# Altium PCB ecoVENTV_v1.1.PcbDoc (part 1 of 3) (continued)
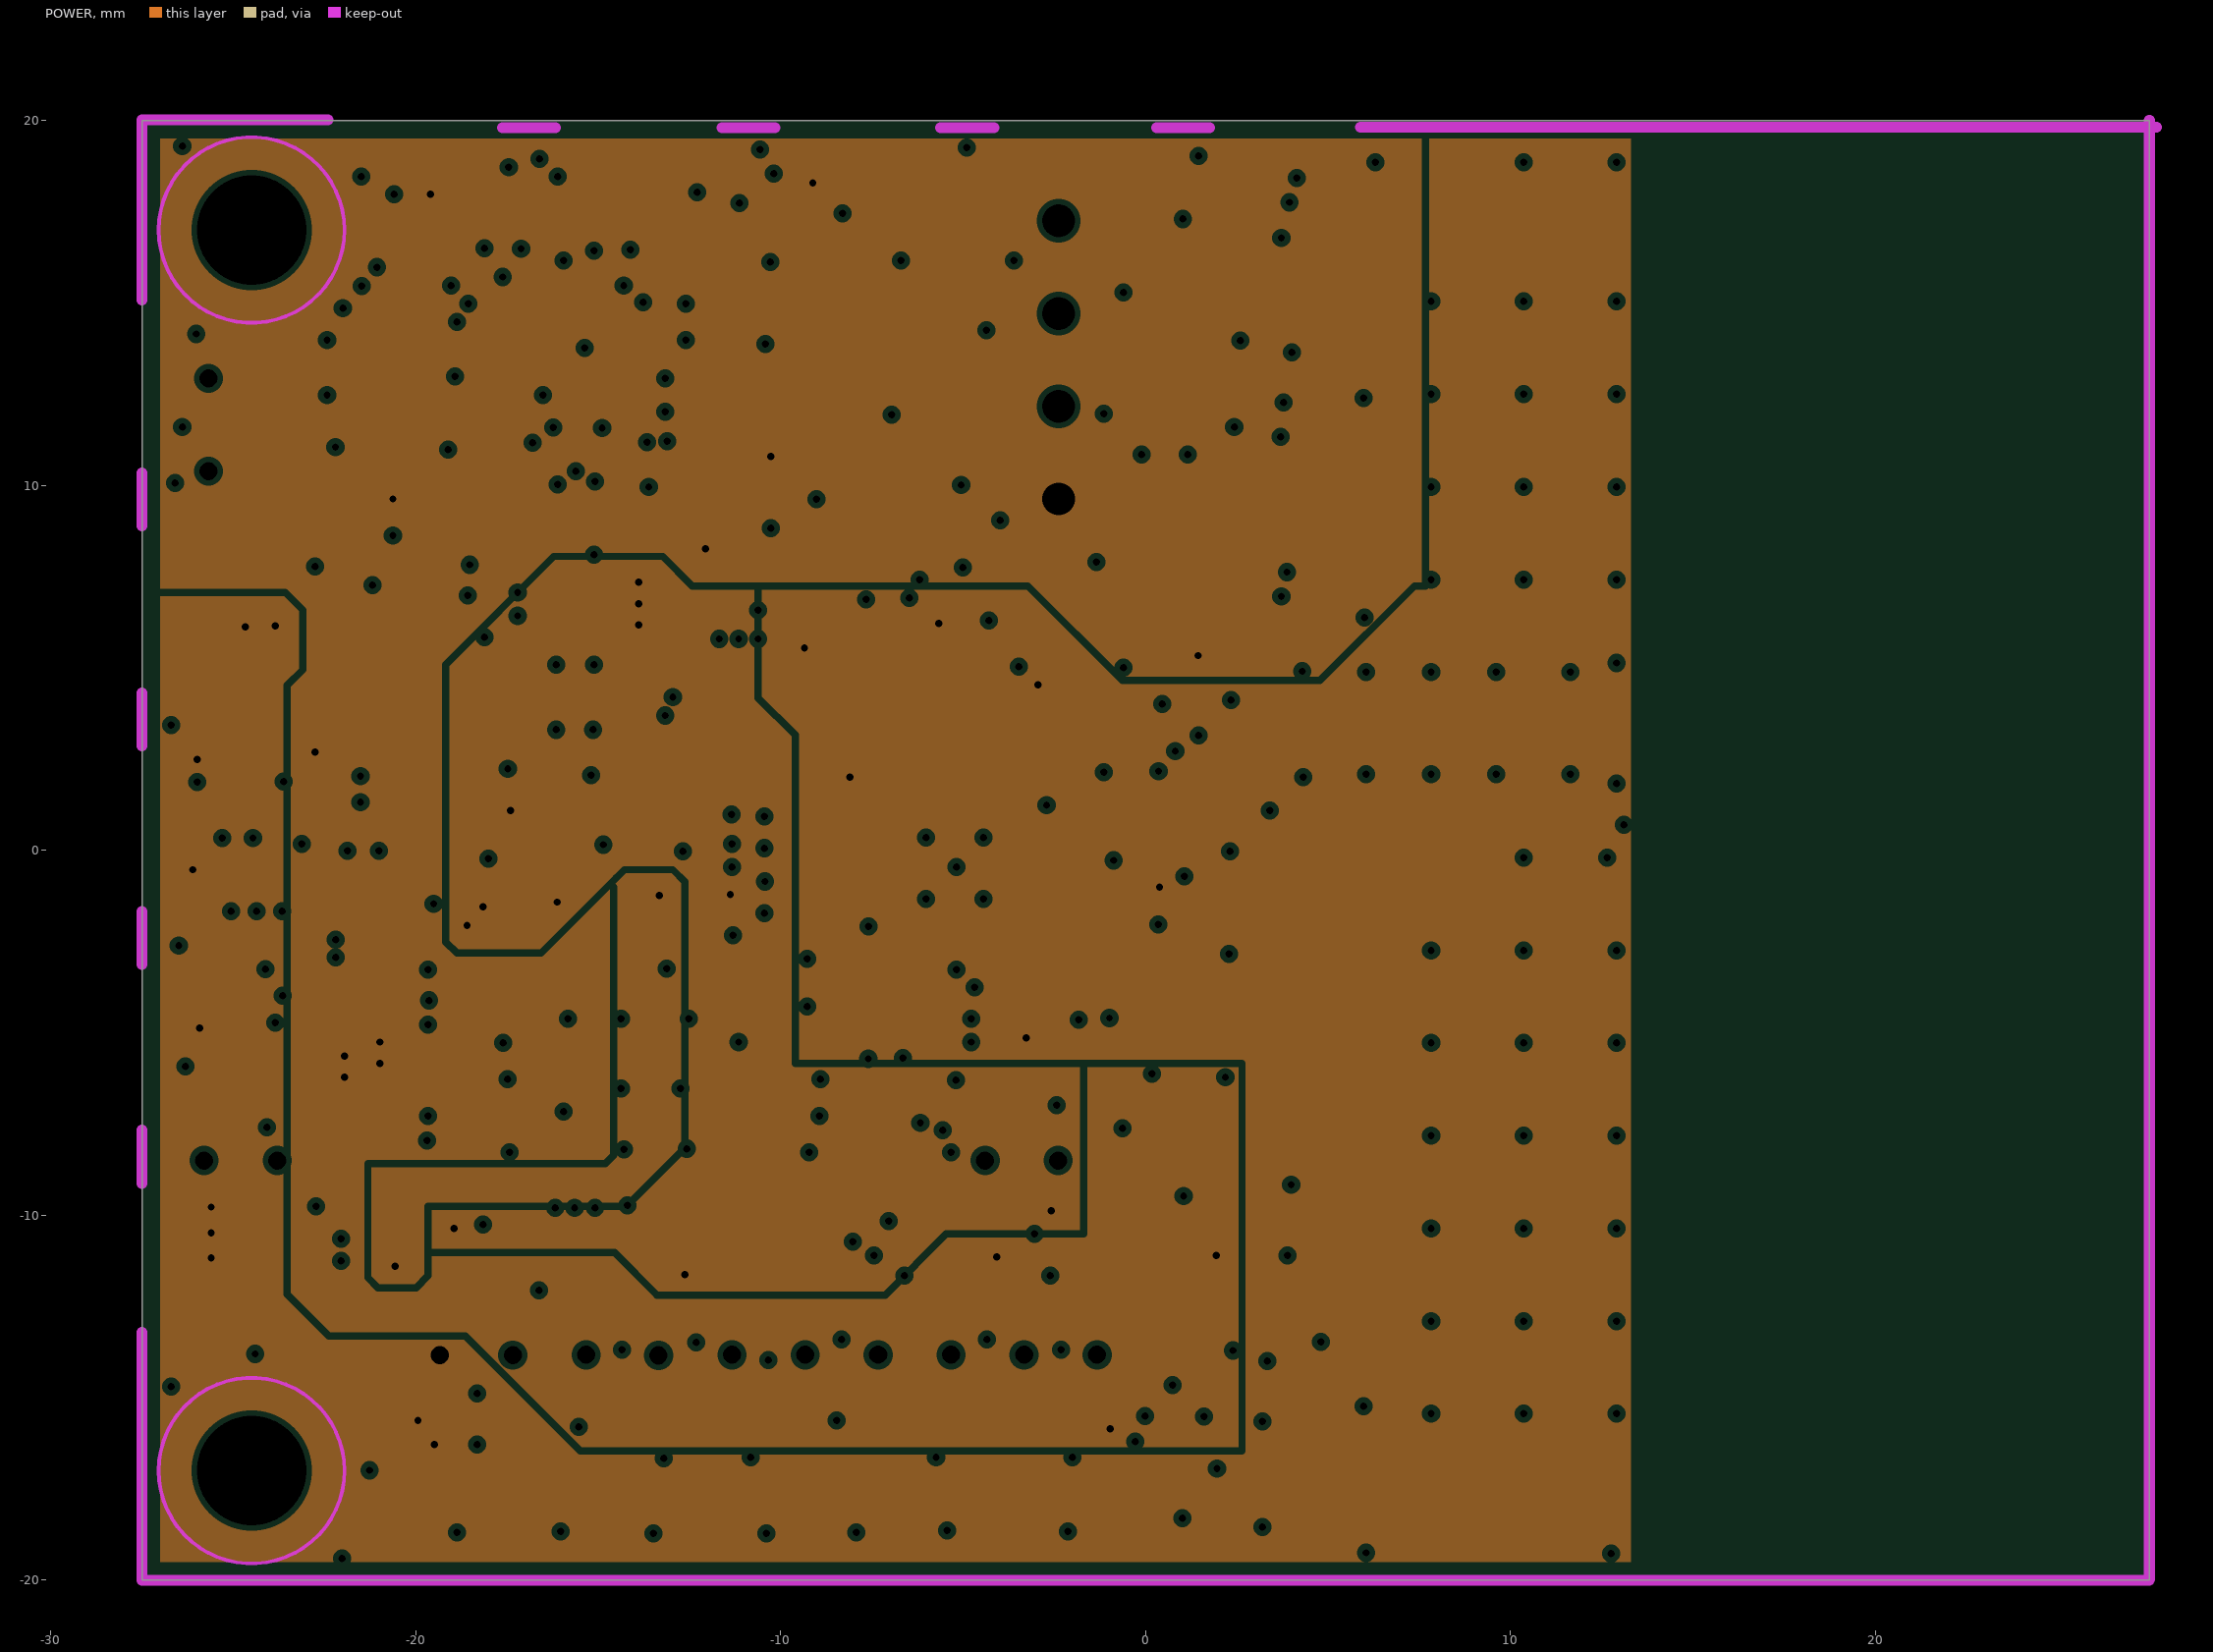
[diagram p3: POWER, clearances drawn from the general rule]
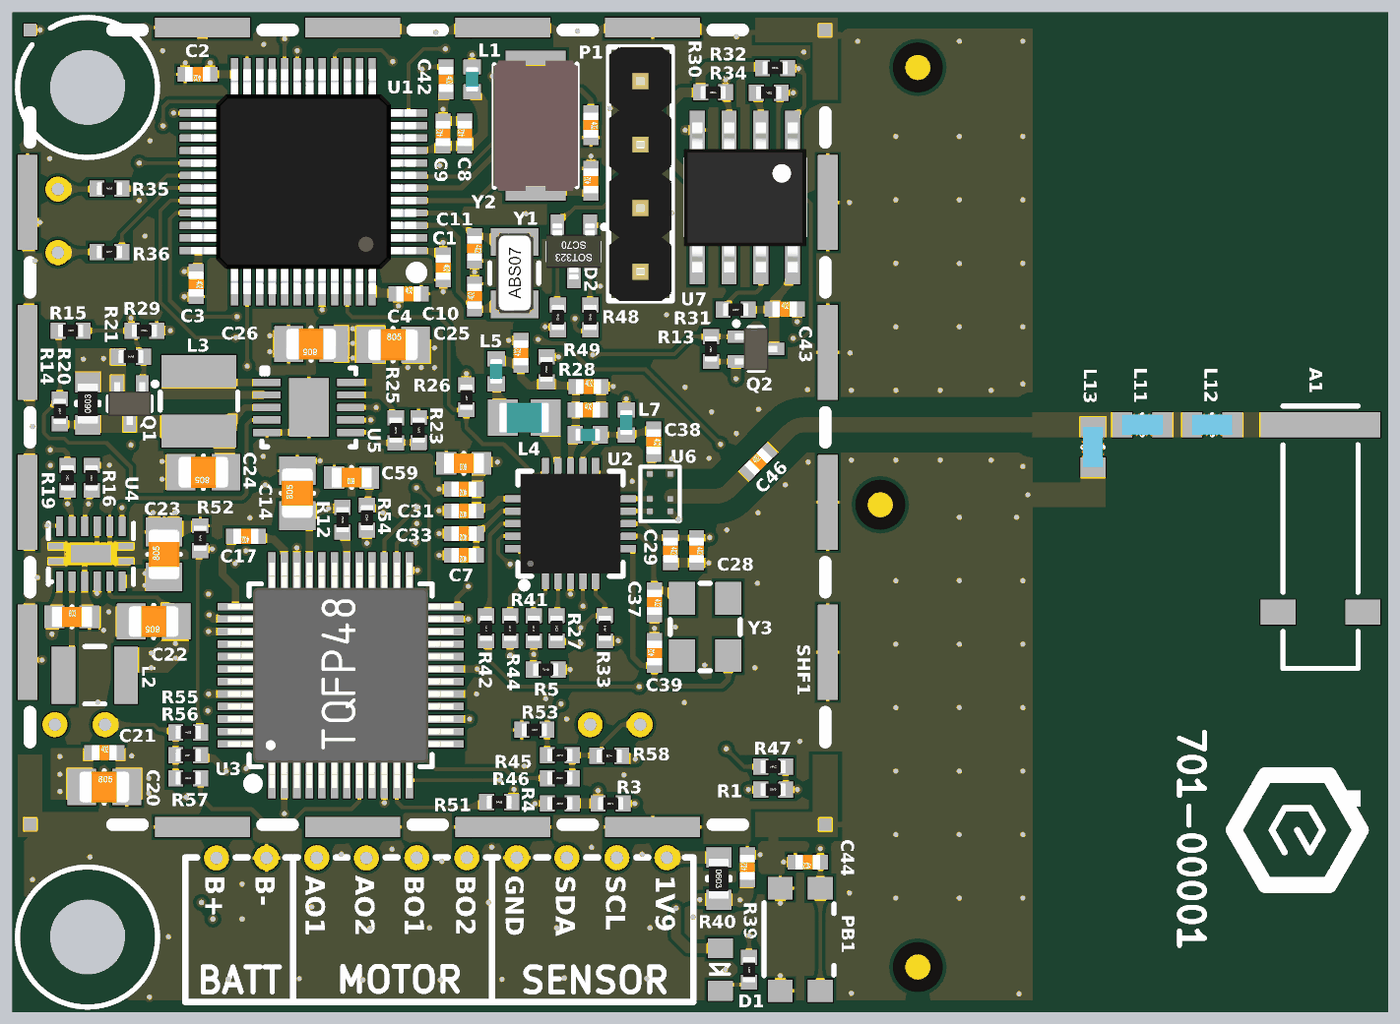
[diagram p6: 3D render of the assembled board from above, using the file's embedded part models]
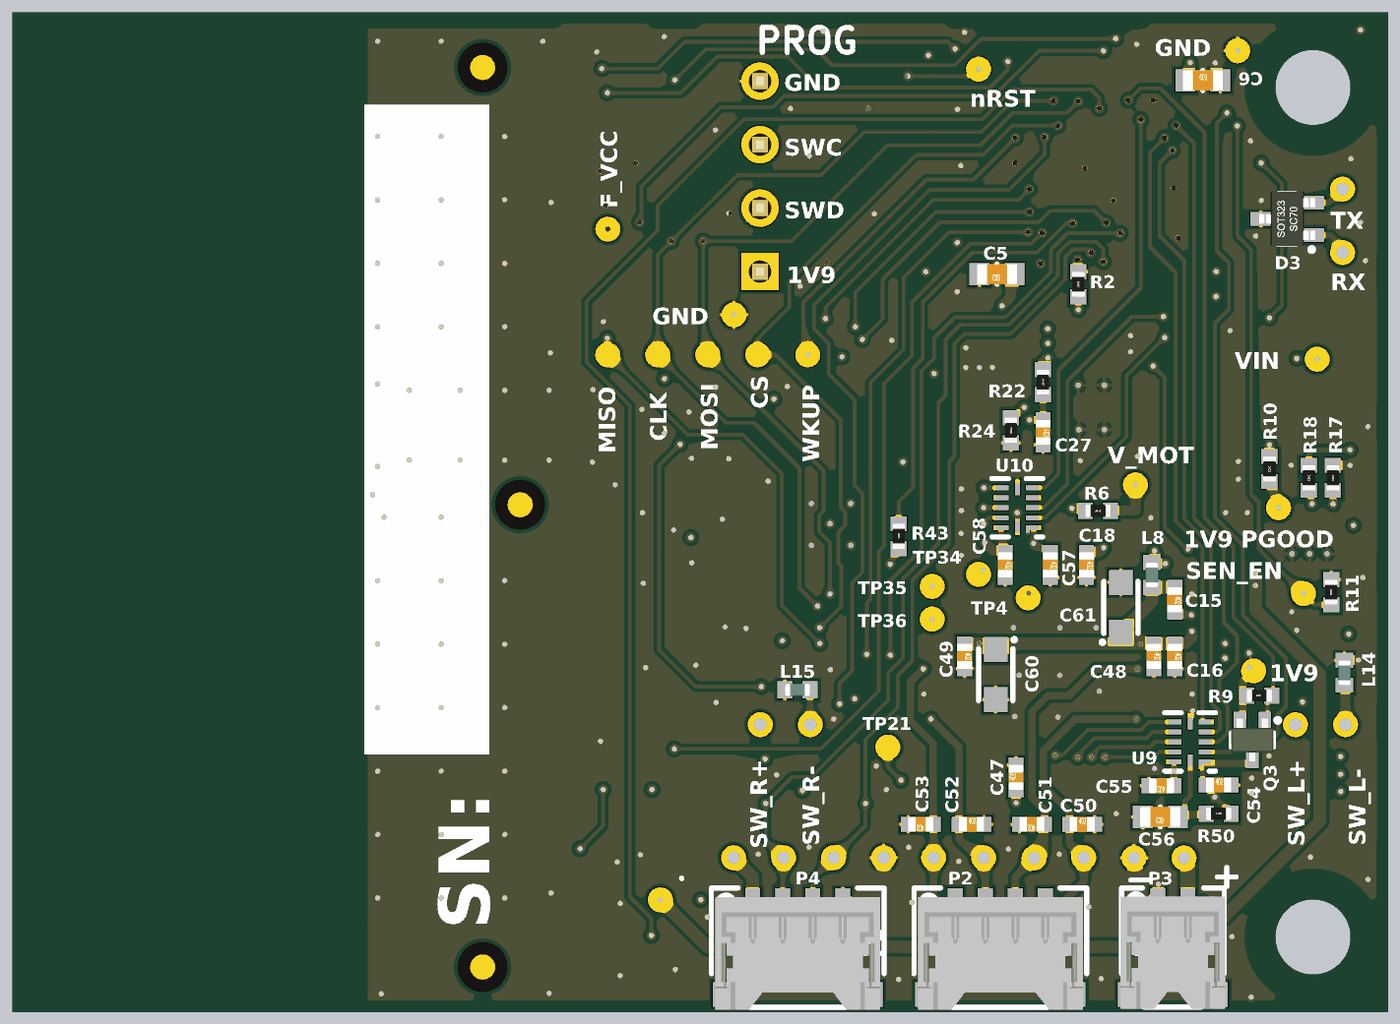
[diagram p7: 3D render of the assembled board from below, using the file's embedded part models]

## Layer stack, top to bottom
Top Solder: solder mask 0.01, Solder Resist, Dk 3.5
Top Layer: signal copper 0.0498
Dielectric 1: prepreg 0.3, FR-4, Dk 4
GND: plane copper 0.0348, net GND
Dielectric 2: core 0.5, FR-4, Dk 4
POWER: plane copper 0.0348, net (Multiple Nets)
Dielectric 2: prepreg 0.3, FR-4, Dk 4
Bottom Layer: signal copper 0.0498
Bottom Solder: solder mask 0.01, Solder Resist, Dk 3.5

## Board outline
-27.5,-20 27.5,-20 27.5,20 -27.5,20

## Design rules (kind name [scope] priority, off if disabled: settings)
Clearance Clearance_1 [InComponent('SHF1') vs (IsTrack AND OnLayer('Keep-Out Layer'))] p1: gap=0
Clearance "Top Layer-GND FILL Antenna" [(InNamedPolygon('Top Layer-GND FILL')) vs InNet('ANTENNA') or InNet('NetC41_2') or InNet('NetC46_2')or InNet('ANTENNA1') or InNet('ANTENNA2')] p2: gap=0.8
Clearance "Top Layer-GND FILL Outline" [(InNamedPolygon('Top Layer-GND FILL'))or (InNamedPolygon('Bot Layer-GND FILL')) vs (IsTrack AND OnLayer('Keep-Out Layer'))] p3: gap=0.3
Clearance "Top Layer-GND FILL" [(InNamedPolygon('Top Layer-GND FILL'))or (InNamedPolygon('Bot Layer-GND FILL'))] p4: gap=0.14
Clearance [All] p5: gap=0.127
HoleSize [All] p1: absolutevalues=TRUE maxlimit=5 minlimit=0.025 maxpercent=80.000 minpercent=20.000
MinimumSolderMaskSliver [All] p1: minsoldermaskwidth=0.051
PlaneClearance PlaneClearance_1 [InComponent('MH1') or  InComponent('MH2')] p1: clearance=0.5
PlaneClearance [All] p2: clearance=0.15
PlaneConnect [All] p1: planeconnectstyle=Relief reliefexpansion=0.127 reliefentries=4 reliefconductorwidth=0.127 reliefairgap=0.127
PolygonConnect PolygonConnect_Components [(IsNamedPolygon('Top Layer-GND FILL')) or (IsNamedPolygon('Bot Layer-GND FILL')) vs (InComponentClass('All Components'))] p1: connectstyle=Relief reliefconductorwidth=0.127 reliefentries=4 polygonreliefangle="90 Angle" airgapwidth=0.127
PolygonConnect [All] p2: connectstyle=Direct reliefconductorwidth=0.254 reliefentries=4 polygonreliefangle="90 Angle" airgapwidth=0.254
RoutingVias [All] p1: holewidth=0.2 width=0.4 viastyle="Through Hole" minholewidth=0.2 minwidth=0.4 maxholewidth=0.3 maxwidth=0.6
SilkToSilkClearance [All] p1: silktosilkclearance=0
SilkToSolderMaskClearance [IsPad] p1: minsilkscreentomaskgap=0.051 clearancetoexposedcopper=TRUE
SolderMaskExpansion [All] p1: expansion=0.051
Width [All] p1: maxlimit=5 minlimit=0.1 preferedwidth=0.127
23 further rules are at their usual default settings.

## Classes and differential pairs
component class "eVV_TopLevel TMC": CON1 CON2 CON3 CON4 CON5 CON6 CON7 CON8 CON9 CON10 P5 P6 P7 PCB1 SHC1 SHF1
component class U_eVV_Radio: A1 C7 C28 C29 C30 C31 C32 C33 C34 C35 C36 C37 C38 C39 C46 L4 L5 L6 L7 L11 L12 L13 R5 R26 R27 R28 R33 R41 R42 R43 R44 TP30 TP31 TP32 TP33 U2 U6 Y3
component class "U_eVV_Power Supply": C19 C20 C21 C22 C23 C24 C25 C26 C27 L2 L3 P3 Q1 R10 R11 R14 R15 R16 R17 R18 R19 R20 R21 R22 R23 R24 R25 R29 TP6 TP7 TP8 TP9 TP10 TP11 TP22 TP23 TP24 TP25 U4 U5
component class "U_eVV_Driver TMC5130": C14 C15 C16 C17 C18 C47 C48 C49 C50 C51 C52 C53 C54 C55 C56 C57 C58 C59 C60 C61 L8 P2 Q3 R6 R9 R12 R50 R51 R54 TP4 TP12 TP18 TP19 TP20 TP21 TP34 TP35 TP36 U3 U9 U10
component class "U_eVV_Main Controller": C1 C2 C3 C4 C5 C6 C8 C9 C10 C11 C12 C13 C42 C43 C44 D1 D2 D3 L1 P1 PB1 Q2 R1 R2 R13 R30 R31 R32 R34 R35 R36 R39 R47 R48 R49 TP1 TP5 TP13 TP14 TP15 U1 U7 Y1 Y2
component class "U_eVV_Cover Page": FP1 FP2 FP3 FP4 FP5 FP6 MH1 MH2 PCB1
component class U_eVV_Sensors: C45 L14 L15 P4 R3 R4 R40 R45 R46 R52 R53 R55 R56 R57 R58 TP2 TP3 TP26 TP27 TP28 TP29 TP37 TP38

## Components (designator, comment, footprint, x,y, rotation, side; value= is the part's Value field where it differs from the comment)
A1 "915MHz" MITSUBISHI_AM11DG-ST01 24.8,-0.25 r270 top
C1 "0.1uF" CAPC1005X60N -10.278,9.798 r270 top
C2 "0.1uF" CAPC1005X60N -20.095,17.529 r180 top
C3 "0.1uF" CAPC1005X60N -20.156,9.131 r270 top
C4 "0.1uF" CAPC1005X60N -11.662,8.741 r0 top
C5 "10uF" CAPC1608X95N -11.865,9.528 r0 bottom
C6 "10uF" CAPC1608X95N -20.095,17.279 r180 bottom
C7 "0.1uF" CAPC1005X60N -9.452,-1.724 r180 top
C8 "10nF" CAPC1005X60N -9.421,15.161 r90 top
C9 "1uF" CAPC1005X60N -10.284,15.161 r90 top
C10 "7pF" CAPC1005X60N -9.02,8.639 r90 top
C11 "7pF" CAPC1005X60N -9.02,10.562 r270 top
C12 "27pF" CAPC1005X60N -4.372,13.262 r90 top
C13 "27pF" CAPC1005X60N -4.372,15.495 r270 top
C14 "4.7uF" CAPC2012X145N -16.107,0.765 r90 top
C15 "0.1uF" CAPC1005X60N -18.977,-3.502 r270 bottom
C16 "0.1uF" CAPC1005X60N -18.977,-5.763 r270 bottom
C17 "22nF" CAPC1005X60N -18.164,-0.962 r180 top
C18 "470nF" CAPC1005X60N -15.446,-2.105 r270 bottom
C19 "10uF" CAPC1608X95N -25.124,-4.188 r0 top
C20 "10uF" CAPC2012X145N -23.828,-10.995 r0 top
C21 "0.1uF" CAPC1005X60N -23.828,-9.623 r0 top
C22 "10uF" CAPC2012X145N -21.854,-4.373 r180 top
C23 "10uF" CAPC2012X145N -21.439,-1.685 r90 top
C24 "4.7uF" CAPC2012X145N -19.866,1.603 r180 top
C25 "10uF" CAPC2012X145N -12.282,6.705 r0 top
C26 "10uF" CAPC2012X145N -15.559,6.73 r180 top
C27 "0.1uF" CAPC1005X60N -13.705,3.2 r270 bottom
C28 "100pF" CAPC1005X60N -0.149,-1.521 r270 top
C29 "0.1uF" CAPC1005X60N -1.19,-1.521 r270 top
C30 "10uF" CAPC1608X95N -9.452,1.959 r180 top
C31 "100pF" CAPC1005X60N -9.452,0.054 r180 top
C32 "0.1uF" CAPC1005X60N -9.452,0.922 r180 top
C33 "100pF" CAPC1005X60N -9.448,-0.86 r180 top
C34 "1uF" CAPC1005X60N -7.168,6.379 r90 top
C35 "0.1uF" CAPC1005X60N -4.47,5.032 r0 top
C36 "330pF" CAPC1005X60N -4.499,4.093 r0 top
C37 "30pF" CAPC1005X60N -1.832,-3.601 r270 top
C38 "220pF" CAPC1005X60N -1.857,2.823 r270 top
C39 "30pF" CAPC1005X60N -1.832,-5.636 r90 top
C42 "10nF" CAPC1005X60N -10.163,17.326 r270 top
C43 "1uF" CAPC1005X60N 3.375,8.131 r0 top
C44 "0.1uF" CAPC1005X60N 4.3,-14 r180 top
C45 "1uF" CAPC1005X60N 1.885,-14.206 r90 top
C46 "220pF" CAPC1005X60N 2.322,2.017 r45 top
C47 "0.1uF" CAPC1005X60N -12.627,-10.614 r90 bottom
C48 "0.1uF" CAPC1005X60N -18.139,-5.763 r270 bottom
C49 "0.1uF" CAPC1005X60N -10.57,-5.763 r270 bottom
C50 "330pF" CAPC1005X60N -15.269,-12.494 r180 bottom
C51 "330pF" CAPC1005X60N -13.262,-12.494 r0 bottom
C52 "330pF" CAPC1005X60N -10.849,-12.494 r180 bottom
C53 "330pF" CAPC1005X60N -8.817,-12.494 r0 bottom
C54 "0.1uF" CAPC1005X60N -20.73,-10.919 r180 bottom
C55 "0.1uF" CAPC1005X60N -18.444,-10.944 r0 bottom
C56 "10uF" CAPC1608X95N -18.393,-12.189 r0 bottom
C57 "0.1uF" CAPC1005X60N -13.999,-2.105 r270 bottom
C58 "0.1uF" CAPC1005X60N -12.195,-2.105 r270 bottom
C59 "10uF" CAPC1608X95N -13.939,1.391 r180 top
C60 "10uF" CAPMP2012X120N -11.814,-6.499 r270 bottom
C61 "10uF" CAPMP2012X120N -16.818,-3.807 r90 bottom
D1 "APT1608SU" DIOC1608X84N_R 0.8,-18.3 r270 top
D2 "DF3A5.6FU" SOT65P210X110-3N -5.058,10.443 r270 top
D3 "DF3A5.6FU" SOT65P210X110-3N -23.473,11.738 r0 bottom
FP1 "FP 1/2mm" FIDUCIAL_POINT_1MM 8.7,-18.2 r0 top
FP2 "FP 1/2mm" FIDUCIAL_POINT_1MM 7.2,0.3 r90 top
FP3 "FP 1/2mm" FIDUCIAL_POINT_1MM 8.7,17.8 r90 top
FP4 "FP 1/2mm" FIDUCIAL_POINT_1MM 8.7,17.8 r90 bottom
FP5 "FP 1/2mm" FIDUCIAL_POINT_1MM 8.7,-18.2 r90 bottom
FP6 "FP 1/2mm" FIDUCIAL_POINT_1MM 7.2,0.3 r90 bottom
L1 "220R@100MHz" INDC1005X60N -9.122,17.326 r90 top
L2 "2.2uH" INDC2518X200N -24.209,-6.525 r0 top
L3 "2.2uH" IND_3.0X3.0X1.5MM -20.044,4.448 r90 top
L4 "10uH" INDC2012X85N -7.039,3.788 r180 top
L5 "27nH" INDC1005X60N -8.157,5.642 r90 top
L6 "100nH" INDC1005X60N -4.499,3.102 r180 top
L7 "DNP" INDC1005X60N -2.953,3.591 r90 top
L8 "220R@100MHz" INDC1005X60N -18.063,-2.511 r90 bottom
L11 "39nH" MURATA_LQW18A 17.675,3.5 r0 top
L12 "8.7nH" MURATA_LQW18A 20.475,3.5 r0 top
L13 "7.5nH" MURATA_LQW18A 15.7,2.6 r270 top
L14 "DNP" INDC1005X60N -25.759,-6.423 r270 bottom
L15 "DNP" INDC1005X60N -3.889,-7.109 r180 bottom
MH1 "MH 3/6mm" MHOLE_TH_3-6MM -24.5,-17 r0 top locked
MH2 "MH 3/6mm" MHOLE_TH_3-6MM -24.5,17 r0 top locked
P1 "DNP" HDR1X4_100MIL -2.391,9.63 r90 top
P2 "1.2mm VER" MOLEX_0781710004 -12,-17.425 r180 bottom locked
P3 "1.2mm VER" MOLEX_0781710002 -18.9,-17.425 r180 bottom locked
P4 "1.2mm VER" MOLEX_0781710004 -3.9,-17.425 r180 bottom locked
PB1 "switch" CK_KMR221NG 4,-17.1 r270 top
Q1 "FDY102PZ" SOT50P160X78-3N -22.812,4.347 r270 top
Q2 "FDY102PZ" SOT50P160X78-3N 2.232,6.531 r0 top
Q3 "FDY102PZ" SOT50P160X78-3N -22.076,-9.115 r270 bottom
R1 "100K" RESC1005X40AN 2.918,-11.097 r0 top
R2 "100K" RESC1005X40AN -15.116,9.122 r270 bottom
R3 "100K" RESC1005X40AN -3.585,-11.655 r0 top
R4 "100K" RESC1005X40AN -5.617,-11.655 r180 top
R5 "100K" RESC1005X40AN -6.175,-6.296 r180 top
R6 "10R" RESC1005X40AN -15.904,0.054 r180 bottom
R9 "100K" RESC1005X40AN -22.355,-7.337 r0 bottom
R10 "DNP" RESC1005X40AN -22.762,1.73 r270 bottom
R11 "100K" RESC1005X40AN -25.225,-3.197 r270 bottom
R12 "22K" RESC1005X40AN -14.303,-0.302 r90 top
R13 "100K" RESC1005X40AN 0.429,6.531 r90 top
R14 "0R" RESC1005X40AN -25.606,4.042 r90 top
R15 "DNP" RESC1005X40AN -25.175,7.268 r0 top
R16 "100K" RESC1005X40AN -24.336,1.375 r270 top
R17 "DNP" RESC1005X40AN -24.336,1.375 r270 bottom
R18 "DNP" RESC1005X40AN -25.302,1.375 r270 bottom
R19 "100K" RESC1005X40AN -25.302,1.375 r270 top
R20 "DNP" RESC1608X84N -24.489,4.347 r90 top
R21 "100K" RESC1005X40AN -22.762,6.226 r0 top
R22 "0R" RESC1005X40AN -13.705,5.206 r270 bottom
R23 "DNP" RESC1005X40AN -11.256,3.284 r270 top
R24 "100K" RESC1005X40AN -12.424,3.28 r90 bottom
R25 "0R" RESC1005X40AN -12.174,3.28 r90 top
R26 "100K" RESC1005X40AN -9.35,4.601 r270 top
R27 "22R" RESC1005X40AN -5.744,-4.645 r270 top
R28 "DNP" RESC1005X40AN -6.15,5.718 r270 top
R29 "DNP" RESC1005X40AN -22.228,7.268 r180 top
R30 "100K" RESC1005X40AN 0.515,16.801 r0 top
R31 "100K" RESC1005X40AN 1.419,8.106 r180 top
R32 "100K" RESC1005X40AN 2.994,17.783 r0 top
R33 "100K" RESC1005X40AN -3.813,-4.645 r90 top
R34 "22R" RESC1005X40AN 2.74,16.784 r0 top
R35 "22R" RESC1005X40AN -23.625,12.957 r0 top
R36 "22R" RESC1005X40AN -23.625,10.417 r0 top
R39 "200R" RESC1005X40AN 1.953,-18.31 r270 top
R40 "0R" RESC1608X84N 0.741,-14.663 r270 top
R41 "22R" RESC1005X40AN -6.658,-4.645 r270 top
R42 "22R" RESC1005X40AN -8.563,-4.645 r270 top
R43 "22R" RESC1005X40AN -7.938,-0.958 r90 bottom
R44 "22R" RESC1005X40AN -7.602,-4.645 r270 top
R45 "DNP" RESC1005X40AN -5.617,-9.725 r180 top
R46 "DNP" RESC1005X40AN -5.617,-10.639 r180 top
R47 "22R" RESC1005X40AN 2.918,-10.182 r0 top
R48 "22R" RESC1005X40AN -4.397,7.801 r270 top
R49 "22R" RESC1005X40AN -5.693,7.801 r270 top
R50 "100R" RESC1005X40AN -20.73,-12.062 r0 bottom
R51 "49.9K" RESC1005X40AN -8.039,-11.6 r0 top
R52 "DNP" RESC1005X40AN -19.993,-1.038 r270 top
R53 "DNP" RESC1005X40AN -6.633,-8.709 r0 top
R54 "100R" RESC1005X40AN -13.328,-0.219 r90 top
R55 "DNP" RESC1005X40AN -20.476,-8.811 r0 top
R56 "DNP" RESC1005X40AN -20.476,-9.725 r180 top
R57 "DNP" RESC1005X40AN -20.476,-10.639 r0 top
R58 "DNP" RESC1005X40AN -3.635,-9.75 r180 top
SHF1 "32x32mm" BMI-S-204-F -10.9,3.4 r0 top locked
TP1 "WKUP" TEST_POINT_1MM -4.3,6.3 r270 bottom
TP2 "SW_L+" TEST_POINT_TH_1MM#1 -23.8,-8.5 r0 top
TP3 "SW_R+" TEST_POINT_TH_1MM#1 -2.4,-8.5 r0 top
TP4 "SWSEL" TEST_POINT_1MM -13.11,-3.426 r180 bottom
TP5 "F_VCC" TEST_POINT_1MM 3.695,11.332 r180 bottom
TP6 "VIN" TEST_POINT_1MM -24.667,6.125 r0 bottom
TP7 "1V9" TEST_POINT_1MM -22.127,-6.347 r0 bottom
TP8 "GND" TEST_POINT_1MM -21.492,18.469 r0 bottom
TP9 "GND" TEST_POINT_1MM -1.349,7.903 r0 bottom
TP10 "1V9 PGOOD" TEST_POINT_1MM -23.123,0.181 r0 bottom
TP11 "V_MOT" TEST_POINT_1MM -17.402,1.095 r90 bottom
TP12 "AO1" TEST_POINT_TH_1MM#1 -15.333,-13.825 r90 top locked
TP13 "nRST" TEST_POINT_1MM -11.128,17.732 r180 bottom
TP14 "TX" TEST_POINT_TH_1MM#1 -25.683,12.932 r180 top
TP15 "RX" TEST_POINT_TH_1MM#2 -25.683,11.662 r180 top
TP18 "AO2" TEST_POINT_TH_1MM#1 -13.349,-13.841 r90 top locked
TP19 "BO1" TEST_POINT_TH_1MM#1 -11.333,-13.825 r90 top locked
TP20 "BO2" TEST_POINT_TH_1MM#1 -9.333,-13.825 r90 top locked
TP21 "SPI_M" TEST_POINT_1MM -7.5,-9.4 r90 bottom
TP22 "SEN_PWR" TEST_POINT_1MM 1.593,-15.513 r0 bottom
TP23 "B+" TEST_POINT_TH_1MM#1 -19.343,-13.835 r90 top locked
TP24 "B-" TEST_POINT_TH_1MM#1 -17.343,-13.834 r90 top locked
TP25 "SEN_EN" TEST_POINT_1MM -24.123,-3.255 r90 bottom
TP26 "1V9" TEST_POINT_TH_1MM#1 -1.333,-13.825 r90 top
TP27 "SCL" TEST_POINT_TH_1MM#1 -3.333,-13.825 r90 top
TP28 "SDA" TEST_POINT_TH_1MM#1 -5.333,-13.825 r90 top
TP29 "GND" TEST_POINT_TH_1MM#1 -7.333,-13.825 r90 top
TP30 "MISO" TEST_POINT_1MM 3.7,6.3 r270 bottom
TP31 "MOSI" TEST_POINT_1MM -0.3,6.3 r270 bottom
TP32 "CLK" TEST_POINT_1MM 1.7,6.3 r270 bottom
TP33 "CS" TEST_POINT_1MM -2.3,6.3 r270 bottom
TP34 "ENCA" TEST_POINT_1MM -11.128,-2.486 r90 bottom
TP35 "ENCB" TEST_POINT_1MM -9.274,-2.969 r90 bottom
TP36 "ENCN" TEST_POINT_1MM -9.274,-4.275 r90 bottom
TP37 "SW_L-" TEST_POINT_TH_1MM#1 -25.8,-8.5 r90 top
TP38 "SW_R-" TEST_POINT_TH_1MM#1 -4.4,-8.5 r90 top
U1 "STM32L051C8T" QFP50P900X900X160-48N -15.866,13.227 r180 top locked
U2 "SPIRIT1" QFN50P400X400X100-21N -5.188,-0.458 r90 top
U3 "TMC5130A" QFP50P900X900X120-48N-TP -14.38,-6.525 r90 top locked
U4 "TPS62740" SON50P200X300X80-12-TP -24.363,-1.663 r90 top
U5 "MAX8815" TQFN50P300X300X80-10N-TP -15.65,4.194 r0 top
U6 "BALF-SPI-01D3" STM_BALF_SPI -1.607,0.787 r180 top
U7 "1.8V" SOIC127P600X175-8N 1.79,12.593 r270 top locked
U9 "TXB0104RUTR" RUT40P170X200X55-12N -19.587,-9.192 r0 bottom
U10 "TXB0104RUTR" RUT40P170X200X55-12N -12.678,0.181 r0 bottom
Y1 "32.768KHz" ABS07 -7.42,9.571 r90 top
Y2 "16MHz" ABM3 -6.582,15.469 r90 top
Y3 "50MHz" AVX_CX3225GB50 0.197,-4.594 r270 top

## Footprints (in the part's own frame and the unit in brackets; to place one, negate y for a bottom-side part, rotate by r counter-clockwise, add the part's x,y. Pads: shape width x height; smd on the part's side, far side on the other; paste and mask are expansions set on the pad)
ABM3 [mm] "Quartz, SM; Body 5.0 x 3.2 mm (LxW)"
  rect 1.9x2.4 smd mask+0.051: 1(-2.05,0) 2(2.05,0)
  silkscreen extent -2.46,-1.65 2.46,1.65, body extent -2.6,-1.7 2.6,1.7, height 1.3
ABS07 [mm] "Quartz, SM; Body 3.2 x 1.5 mm (LxW)"
  rect 1.1x1.9 smd mask+0.051: 1(-1.25,0) 2(1.25,0)
  silkscreen extent -0.41,-0.97 0.41,0.99, body extent -1.61,-0.76 1.61,0.76, height 0.91
AVX_CX3225GB50 [mm] "3.2x2.5mm  Crystal package"
  rect 1.3x1.05 smd mask+0.051: 1(-1.15,-0.925) 2(1.15,-0.925) 3(1.15,0.925) 4(-1.15,0.925)
  silkscreen extent -1.75,-1.4 1.75,1.4, body extent -1.6,-1.25 1.6,1.25, height 0.9
BMI-S-204-F [mm] "BOARD SHIELD 32X32MM FRAME"
  rect 0.5x0.5 smd: 1(-15.889,-15.889) 6(-15.9,15.9) 11(15.889,15.889) 16(15.9,-15.9)
  rect 0.8x3.8 smd: 2(-16,-9) 3(-16,-3) 4(-16,3) 5(-16,9) 12(16,9) 13(16,3) 14(16,-3) 15(16,-9)
  rect 3.8x0.8 smd: 7(-9,16) 8(-3,16) 9(3,16) 10(9,16) 17(9,-16) 18(3,-16) 19(-3,-16) 20(-9,-16)
  Top Layer region: -16.4,-16.4 -13.1,-16.4 -13.1,-15.4 -16.4,-15.4
  Top Layer region: 13.1,-16.4 16.4,-16.4 16.4,-15.4 13.1,-15.4
  Top Layer region: -15.4,-16.4 -15.4,-13.1 -16.4,-13.1 -16.4,-16.4
  Top Layer region: 15.4,16.4 15.4,13.1 16.4,13.1 16.4,16.4
  Top Layer region: 15.4,-13.1 15.4,-16.4 16.4,-16.4 16.4,-13.1
  Top Layer region: 16.4,16.4 13.1,16.4 13.1,15.4 16.4,15.4
  silkscreen extent -15.9,-15.9 15.9,15.9, body extent -16,-16 16,16, height 6
CAPC1005X60N [mm]
  rect 0.6x0.6 smd mask+0.051: 1(-0.5,0) 2(0.5,0)
  body extent -0.5,-0.3 0.5,0.3, height 0.19
CAPC1608X95N [mm]
  rect 0.8x0.9 smd: 1(-0.7,0) 2(0.7,0)
  silkscreen extent 0,-0.4 0,0.4, body extent -0.8,-0.4 0.8,0.4, height 0.3
CAPC2012X145N [mm]
  rect 1.15x1.45 smd mask+0.051: 1(-0.9,0) 2(0.9,0)
  silkscreen extent 0,-0.65 0,0.65, body extent -1,-0.62 1,0.63, height 0.78
CAPMP2012X120N [mm]
  rect 1x0.95 smd: 1(-1,0) 2(1,0)
  silkscreen extent -1.42,-0.69 1.04,0.76, body extent -1.07,-0.63 1.07,0.63, height 1.2
CK_KMR221NG [mm]
  rect 0.9x1 smd mask+0.051: 1(-2.05,0.8) 2(2.05,0.8) 3(2.05,-0.8) 4(-2.05,-0.8)
  silkscreen extent -1.47,-1.45 1.45,1.35, body extent -2.1,-1.4 2.1,1.4, height 1.9
DIOC1608X84N_R [mm]
  rect 0.8x1 smd mask+0.051: 1(-0.85,0) 2(0.85,0)
  silkscreen extent -0.2,-0.4 0.18,0.36, body extent -0.8,-0.38 0.8,0.38, height 0.75
FIDUCIAL_POINT_1MM [mm]
  round 1 smd paste-0.5 mask+0.5: 0(0,0)
  Top Layer keep-out circle w0.1: c0,0 r0.951
HDR1X4_100MIL [mm] "Connector; Header; 4 Position"
  rect 1.5x1.5 hole 0.9: 1(0,0)
  round 1.5 hole 0.9: 2(2.54,0) 3(5.08,0) 4(7.62,0)
  silkscreen extent -1.17,-1.27 8.99,1.27, body extent -1.17,-1.25 8.99,1.25, height 8.2
IND_3.0X3.0X1.5MM [mm]
  rect 1.3x3 smd mask+0.051: 1(-1.2,0) 2(1.2,0)
  silkscreen extent -0.36,-1.55 0.36,1.55, body extent -1.5,-1.5 1.5,1.5, height 1.5
INDC1005X60N [mm]
  rect 0.6x0.7 smd mask+0.051: 1(-0.5,0) 2(0.5,0)
  body extent -0.5,-0.25 0.5,0.25, height 0.6
INDC2012X85N [mm]
  rect 1.2x1.45 smd mask+0.051: 1(-0.85,0) 2(0.85,0)
  body extent -1,-0.6 1,0.6, height 1.3
INDC2518X200N [mm]
  rect 0.95x2.3 smd mask+0.051: 1(-1.25,0) 2(1.25,0)
  silkscreen extent -0.4,-1.15 0.4,1.15, body extent -1.15,-0.9 1.15,0.9, height 2
MHOLE_TH_3-6MM [mm]
  round 0 hole 3 unplated mask+0.051: ""(0,0)
  Keep-Out Layer circle w0.102: c0,0 r2.545
MITSUBISHI_AM11DG-ST01 [mm]
  rect 1x4.8 smd mask+0.051: 1(-3.75,0)
  rect 1x1.4 smd mask+0.051: 2(3.75,1.7) 3(3.75,-1.7)
  silkscreen extent -4.5,-1.5 6,1.5, body extent -4.5,-1.5 6,1.5, height 0.8
MOLEX_0781710002 [mm]
  rect 0.6x1 smd: 1(-0.6,1.875) 2(0.6,1.875)
  rect 0.8x1 smd: 3(-1.8,-1.875) 4(1.8,-1.875)
  silkscreen extent -2.05,-2.37 2.05,2.39, body extent -2.1,-2.45 2.1,2.08, height 1.45